# Allegro board C112P01-T2-ZDS-A03.brd
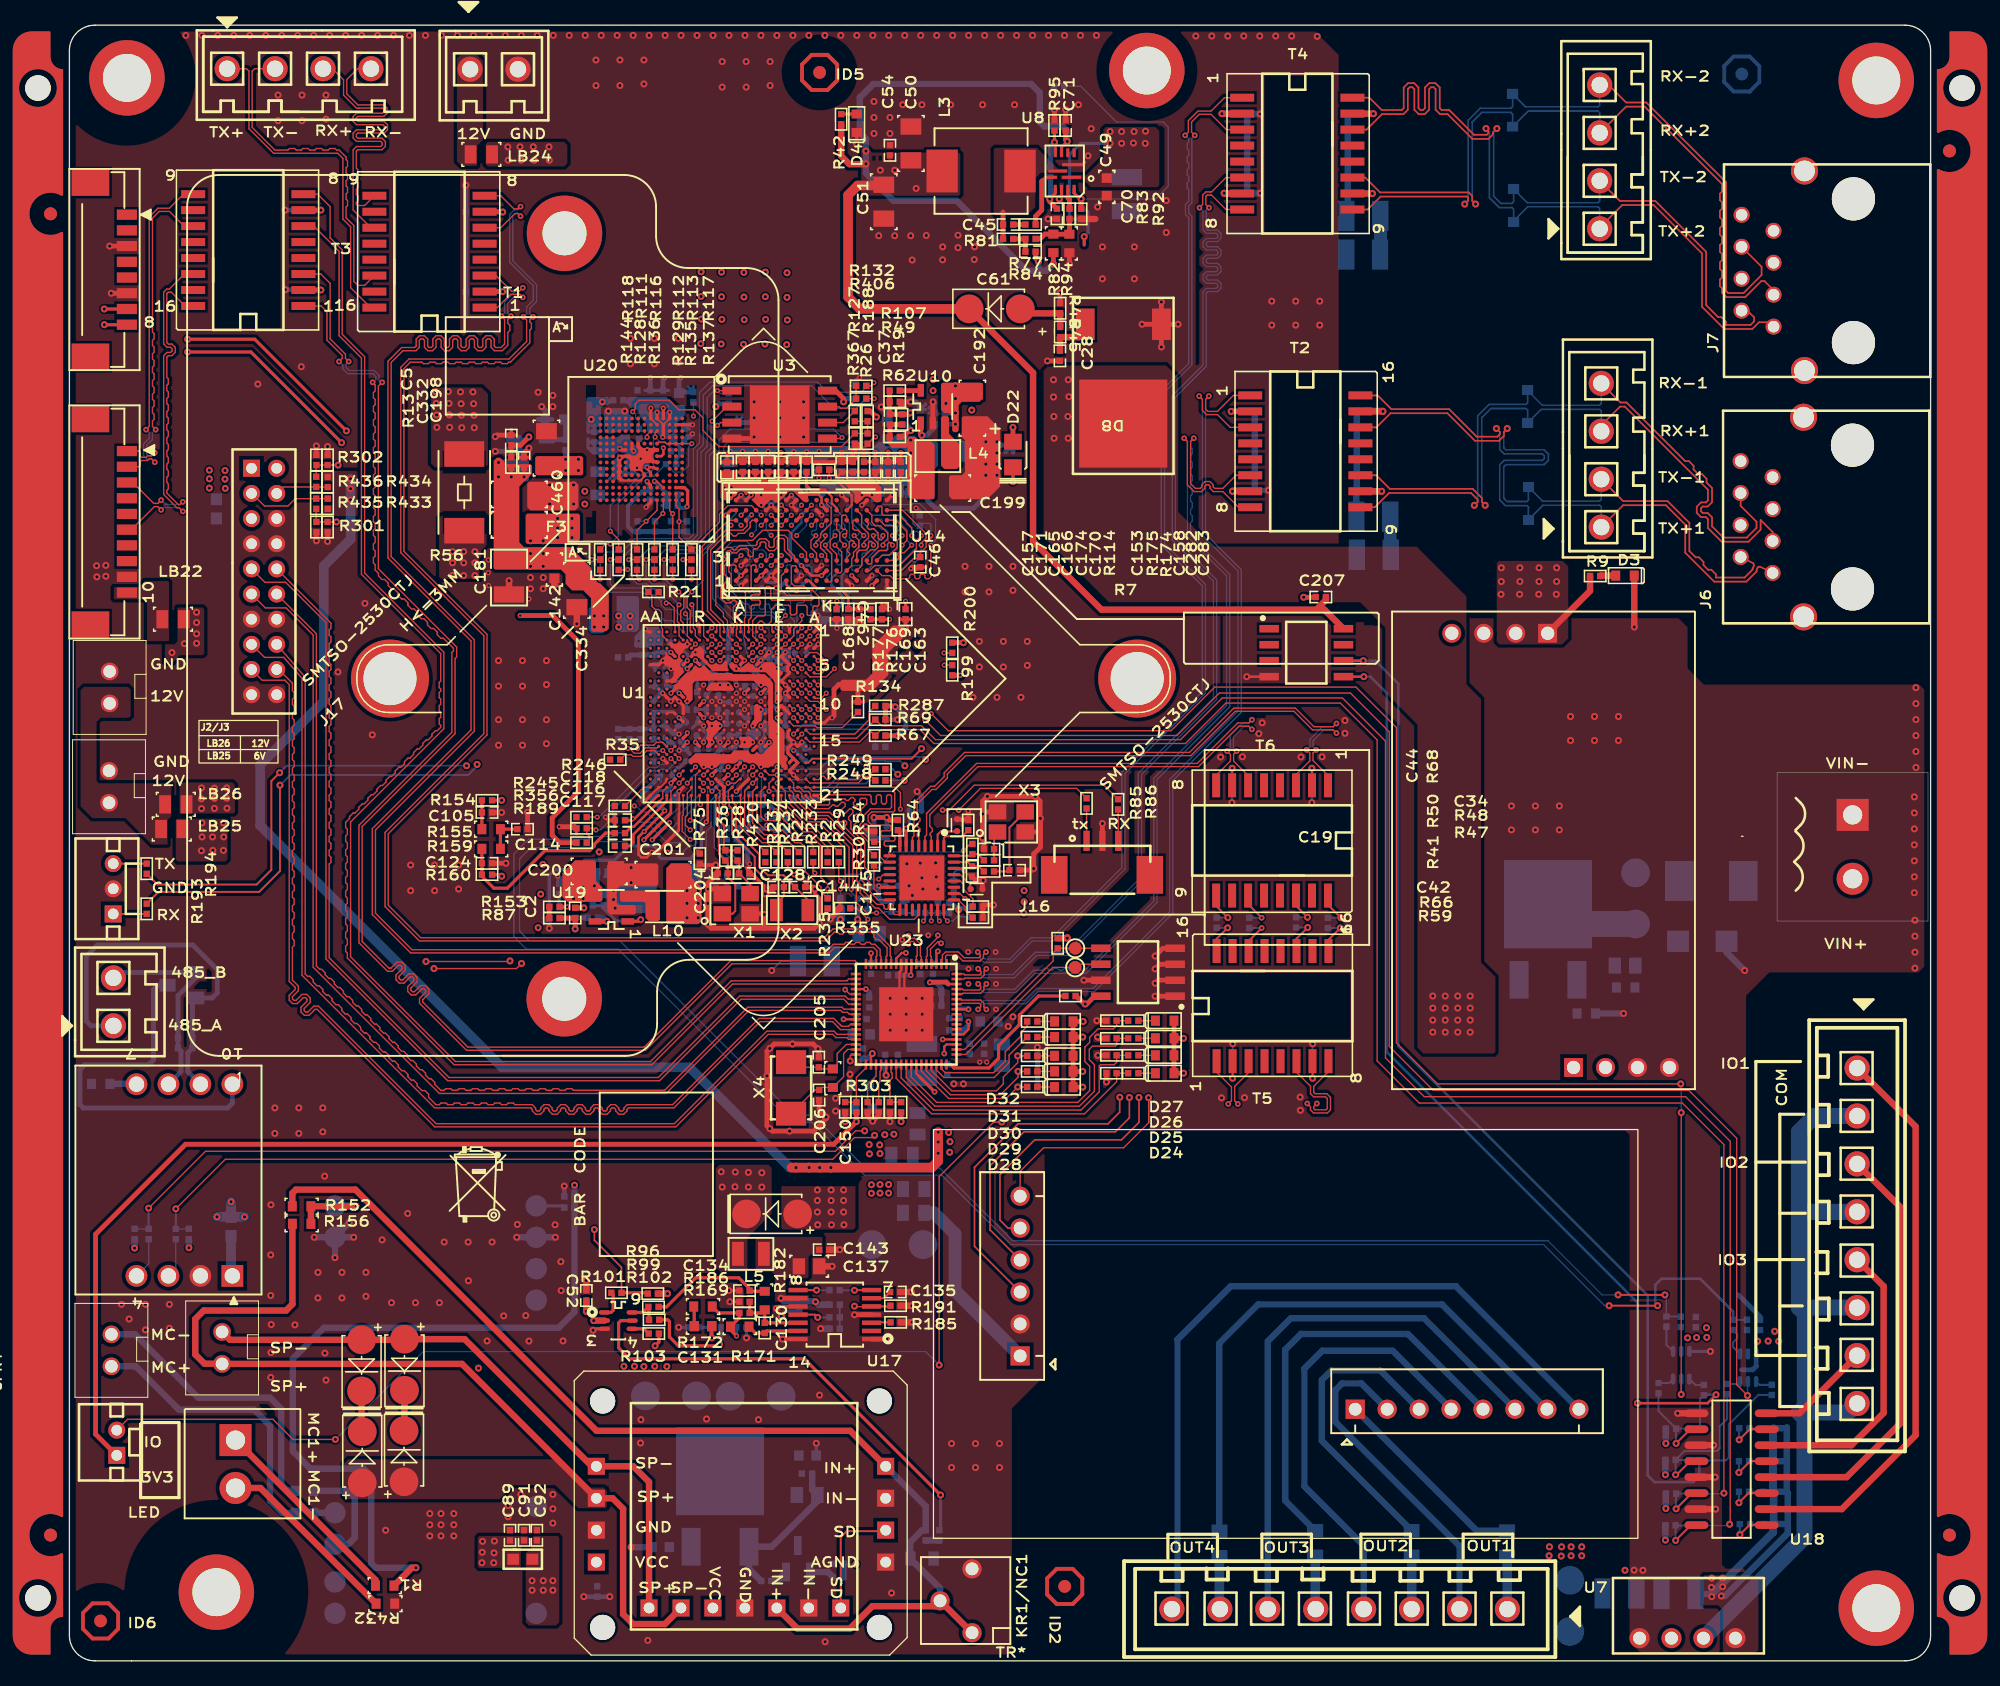
[diagram p0: board, top side]
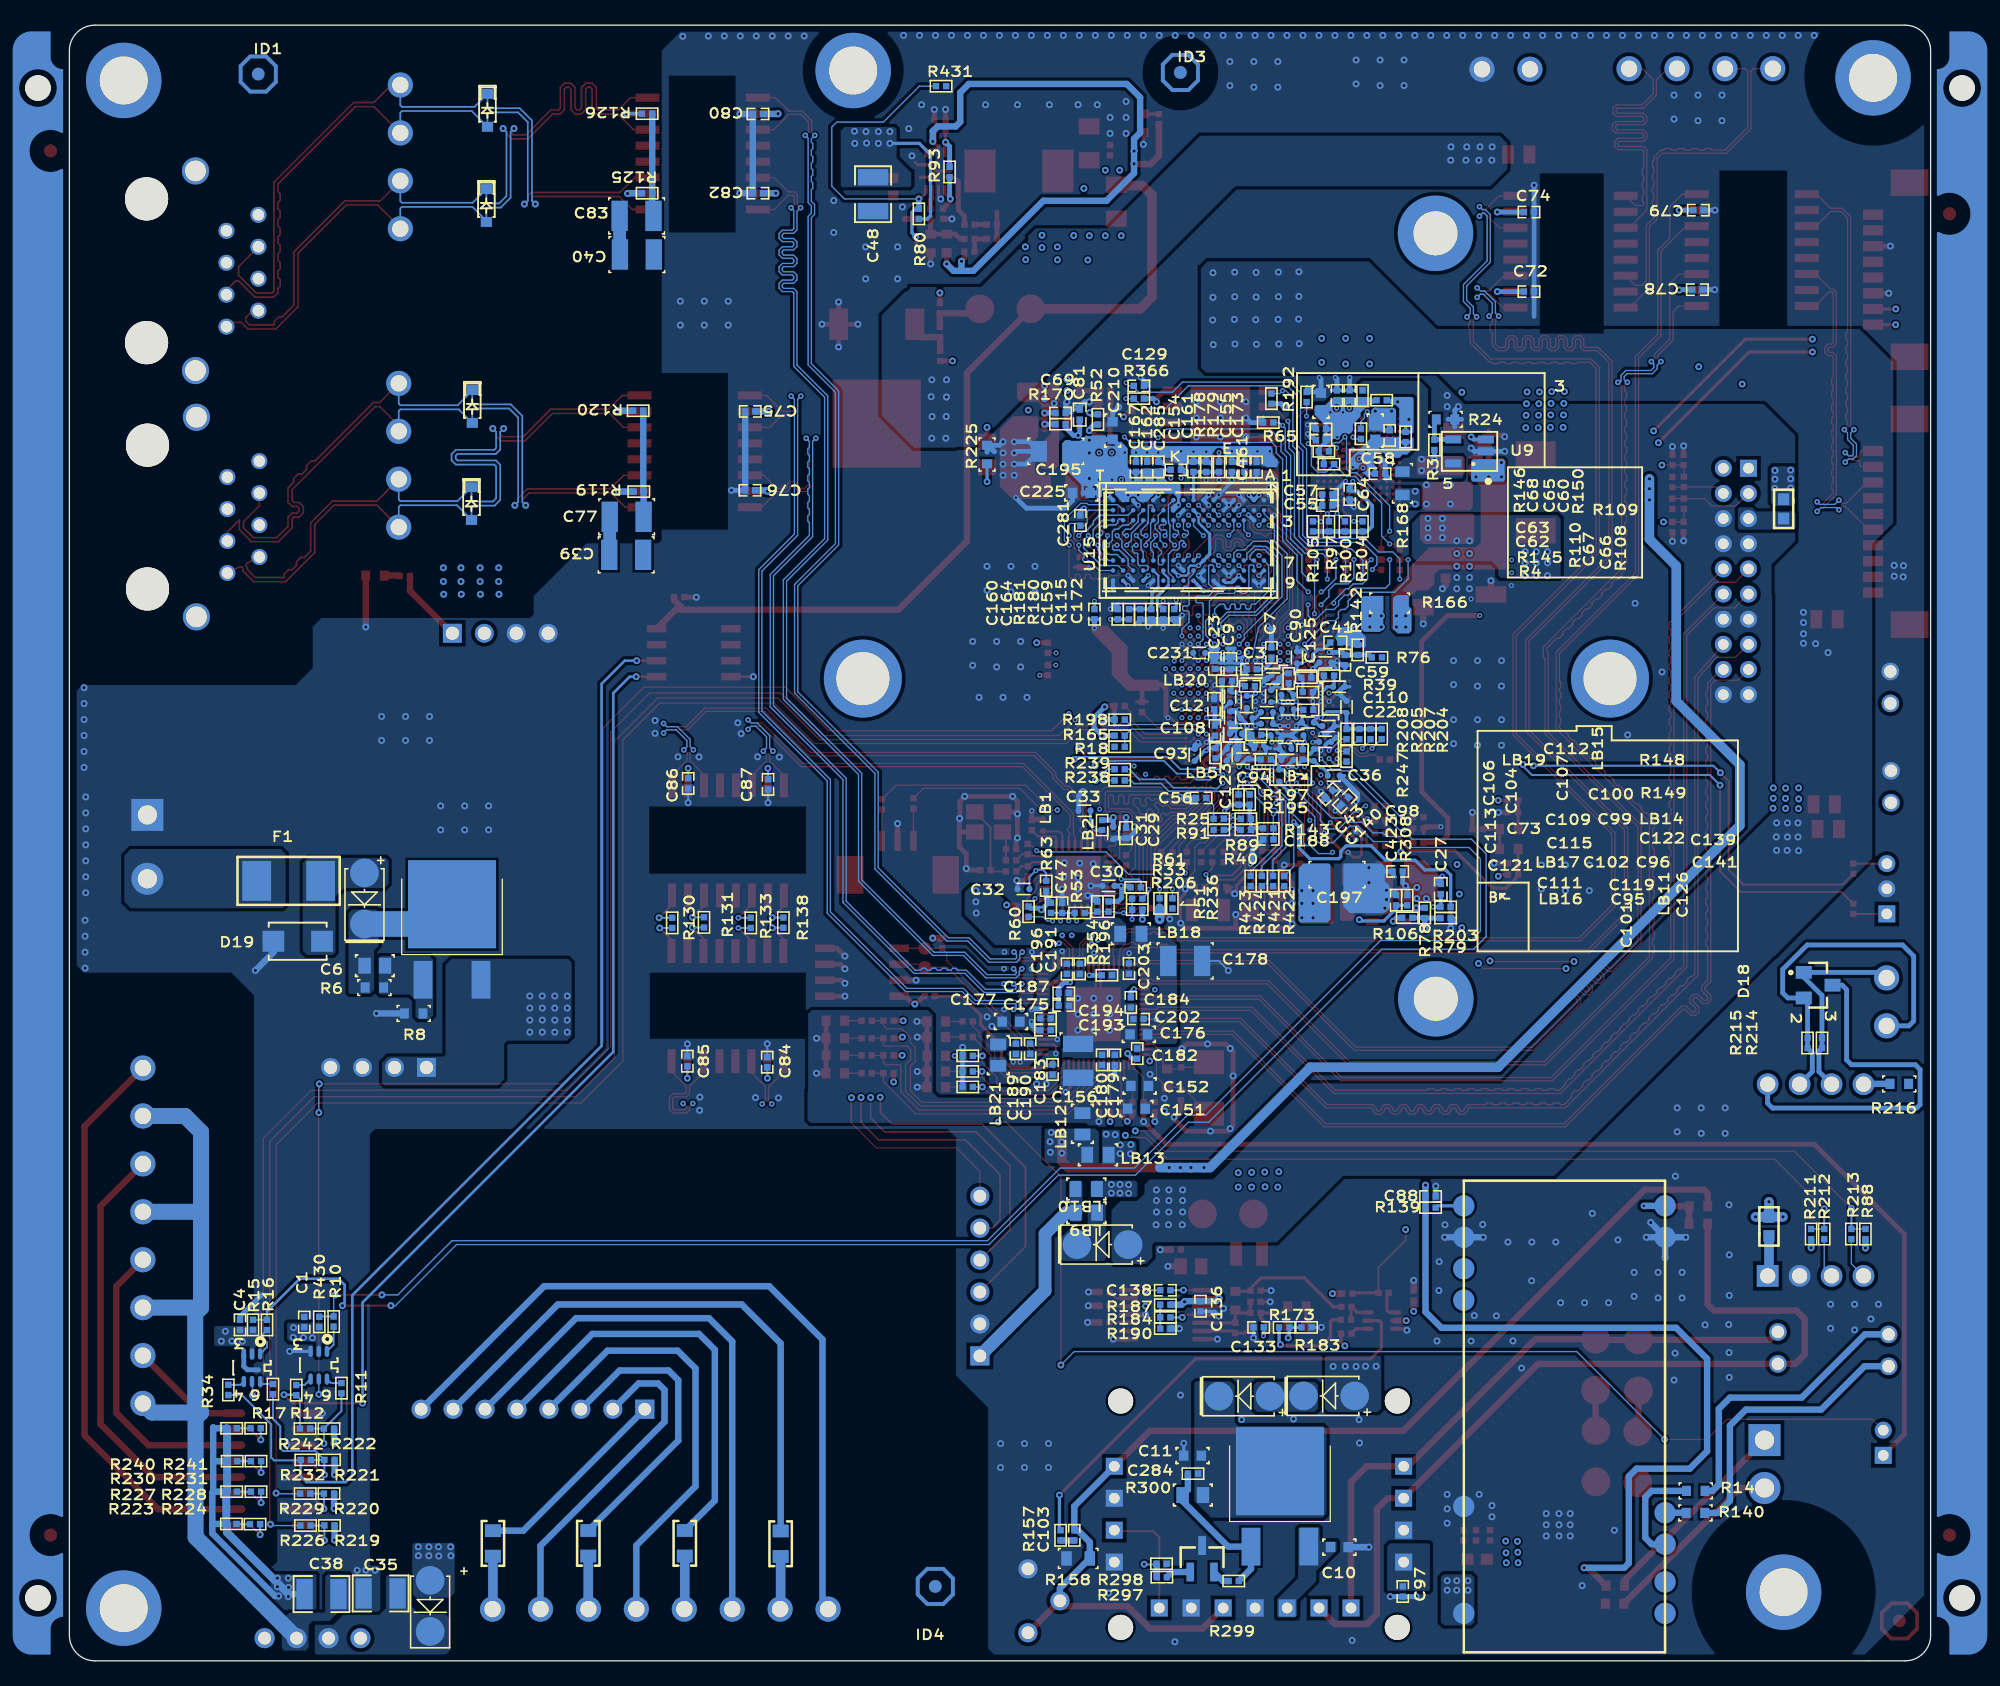
[diagram p1: board, bottom side, seen from below]

Outline 147.95 x 130.05 mm; copper layers: TOP, GND02, ART03, GND04, POWER5, BOTTOM. Coordinates in mm from the lower left corner of the outline.
Outline path: 0,128.02 0,2.03 arc(0.6,0.6) 2.03,0 145.92,0 arc(147.36,0.6) 147.95,2.03 147.95,128.02 arc(147.36,129.45) 145.92,130.05 2.03,130.05 arc(0.6,129.45) 0,128.02

## Design rules (mm)
net group 5V_AU: nets N17905278 N17905311
net group 16D_AL_OUT: nets 16D_AL_OUT AC_OUTL
net group $10N9450: nets $10N9450 SDIO1_CDATA3
net group $10N9451: nets $10N9451 SDIO1_CDATA2
net group $10N9452: nets $10N9452 SDIO1_CDATA1
net group $10N9453: nets $10N9453 SDIO1_CCMD
net group $10N9455: nets $10N9455 SDIO1_CCLK_OUT
net group $10N9456: nets $10N9456 SDIO0_CCLK_OUT
net group $19N2544: nets $19N2544 JTAG_TRSTN/SPI1_SCLK
net group $19N2573: nets $19N2573 EMMC_CLK/SFC_CLK/SFC_BOOT_MODE
net group $25N58: nets $25N58 EPHY_CLK
net group $25N63: nets $25N63 MDCK/BOOT_SEL0
net group $25N69: nets $25N69 RMII_CLK
net group $25N1561: nets $25N1561 DSI_D3P/LCD_DATA16/LCD1_DATA5
net group $25N1562: nets $25N1562 DSI_D3N/LCD_DATA17/LCD1_CLK
net group $25N1564: nets $25N1564 VI_VS/SENSOR_VS/SENSOR1_CLK
net group $25N1576: nets $25N1576 VI_CLK/VO_CLK
net group AU_C: nets AU_C LSADC_CH1
net group AU_COM: nets AU_COM N17625518
net group DIFFPAIR4: nets DDR3_CLK_N DDR3_CLK_P
net group DIFFPAIR18: nets USB_DM USB_DP
net group DIFFPAIR36: nets RS485_2_A_D+ RS485_2_B_D-
net group DIS_FLOW_CTRL: nets DIS_FLOW_CTRL N14034
net group DP10: nets RXIM0 RXIP0
net group GPIO5_6: nets GPIO5_6 N17071576
net group GPIO5_7: nets GPIO5_7 N17081385
net group GPIO9_5: nets GPIO9_5 N171530730
net group JTAG_TCK/SPI1_SDO: nets $19N2543 JTAG_TCK/SPI1_SDO
net group LINE_FEEDBACK: nets LINE_FEEDBACK LINE_OUT_IN-PA
net group N17153168: nets N17153168 N17153187
net group N17619483: nets N17619483 N17624383
net group N17619485: nets N17619485 N17624386
net group N17905305: nets N17905305 N17905372
net group PD6-1: nets N16845404 PD6-1
net group PTX-6: nets PTX-6 SD6
net group PTX-7: nets PTX-7 SD7
net group PWM0: nets N17071610 PWM0
net group PWM1: nets N17081412 PWM1
net group RELAY+1: nets N1001424 RELAY+1
net group RELAY+2: nets N1001336 RELAY+2
net group RELAY+3: nets N1001498 RELAY+3
net group RELAY+4: nets N1001204 RELAY+4
net group RX+3: nets N17709142 RX+3
net group RX-3: nets N17709139 RX-3
net group SDIO1_CDATA0: nets $10N9454 SDIO1_CDATA0
net group SENSOR0_CLK: nets $25N1565 SENSOR0_CLK
net group SPI0_SCLK/I2C0_SCL: nets $25N1563 SPI0_SCLK/I2C0_SCL
net group TX+3: nets N17709148 TX+3
net group TX-3: nets N17709145 TX-3
net group 8903_OUT_L: nets 8903_OUT_L N17905239 N17905268 N17905288 N17905290 N17905313
net group DDR3_DQ0: nets DDR3_DQ1 DDR3_DQ3 DDR3_DQ5 DDR3_DQ7 DDR3_DQS0_N DDR3_DQS0_P
net group DDR3_DQ1: nets DDR3_DQ8 DDR3_DQ9 DDR3_DQ10 DDR3_DQ11 DDR3_DQ13 DDR3_DQ14 DDR3_DQ15 DDR3_DQS1_N DDR3_DQS1_P
net group DDR3_DQ2: nets DDR3_DQ17 DDR3_DQ18 DDR3_DQ19 DDR3_DQ20 DDR3_DQ21 DDR3_DQ22 DDR3_DQ23 DDR3_DQS2_N DDR3_DQS2_P
net group DDR3_DQ3: nets DDR3_DQ25 DDR3_DQ27 DDR3_DQ29 DDR3_DQ30 DDR3_DQ31 DDR3_DQS3_N DDR3_DQS3_P
net group DIFFPAIR33: nets SPK-
net group HDMI: nets HDMI_TX0N HDMI_TX0P HDMI_TX1N HDMI_TX1P HDMI_TX2N HDMI_TX2P HDMI_TXCN HDMI_TXCP
net group LINE_09OUT_IPCIN: nets LINE_09OUT_IPCIN LINE_IN-IPC N171353801
net group MIPI: nets MIPI_RX0_CK0N/VI_DATA13 MIPI_RX0_CK0P/VI_DATA12 MIPI_RX0_CK1N/VI_DATA8 MIPI_RX0_CK1P/VI_DATA9 MIPI_RX0_D0N MIPI_RX0_D0P MIPI_RX0_D1N MIPI_RX0_D1P MIPI_RX0_D2N/VI_DATA15 MIPI_RX0_D2P/VI_DATA14 MIPI_RX0_D3N/VI_DATA10 MIPI_RX0_D3P/VI_DATA11
net group MIPI-DSI: nets DSI_CKP/LCD_DATA12/LCD1_DATA1 DSI_D0N/LCD_DATA9/LCD1_VSYNC DSI_D0P/LCD_DATA8/LCD1_DE DSI_D1N/LCD_DATA10/LCD1_HSYNC DSI_D1P/LCD_DATA11/LCD1_DATA0 DSI_D2N/LCD_DATA14/LCD1_DATA3 DSI_D2P/LCD_DATA15/LCD1_DATA4
net group PRX+1-J6-J23: nets PRX+1 PRX-1 PTX+1 PTX-1
net group PRX+2-T4-J7: nets PRX+2 PRX-2 PTX+2 PTX-2
net group PRX+4-TI-J27: nets PRX+4 PRX-4 PTX+4 PTX-4
net group RMII_RXD0: nets RMII_RX_DV RMII_RXD0 RMII_RXD1
net group RMII_TXD0: nets RMII_TX_EN RMII_TXD0 RMII_TXD1
net group SDIO_0: nets SDIO0_CARD_DETECT SDIO0_CARD_POWER_EN SDIO0_CCMD SDIO0_CDATA0 SDIO0_CDATA1 SDIO0_CDATA2 SDIO0_CDATA3
net group VI: nets VI_DATA0/VO_DATA0/I2C5_SCL VI_DATA1/VO_DATA1/I2C5_SDA VI_DATA2/VO_DATA2/I2C6_SCL VI_DATA3/VO_DATA3/I2C6_SDA VI_DATA4/VO_DATA4/SPI2_SCLK VI_DATA5/VO_DATA5/SPI2_SDO VI_DATA6/VO_DATA6/SPI2_SDI VI_DATA7/VO_DATA7/SPI2_CSN

## Placement (name value [footprint] x y rotation side)
C1  10NF  [SC0402]  129.29 26.94 270 bottom
C2  100pF  [SC0402]  40.21 59.46 270 top
C3  220nF  [SC0402]  53.98 78.84 0 bottom
C4  10NF  [SC0402]  134.39 26.71 270 bottom
C5  100NF/NC*  [SC0402]  35.13 97.05 90 top
C6  0.68uF/50V  [SC0805]  123.67 55.27 180 bottom
C7  220nF  [SC0402]  52.4 80.16 90 bottom
C9  4.7uF  [SC0402-PD]  55.68 79.25 90 bottom
C10  1uF 50V  [SC0603]  47 9.04 0 bottom
C11  1uF 50V  [SC0603]  58.67 16.32 180 bottom
C12  4.7uF  [SC0402-PD]  56.96 76.07 90 bottom
C19  22PF  [SC0402]  75.13 62.86 180 top
C22  2.2UF  [SC0402-BGA]  46.43 75.84 90 bottom
C23  4.7uF  [SC0402-PD]  56.9 79.27 90 bottom
C27  2.2UF  [SC0402-PD]  38.94 61.37 90 bottom
C28  100NF  [SC0402]  78.74 103.76 270 top
C29  4.7uF  [SC0402-PD]  63.96 65.81 270 bottom
C30  100NF  [SC0402-BGA]  65.35 61.62 0 bottom
C31  100NF  [SC0402-BGA]  64.97 65.81 270 bottom
C32  100NF  [SC0402-BGA]  72.11 61.37 0 bottom
C33  100NF  [SC0402-BGA]  67.26 67.59 0 bottom
C34  22PF  [SC0402]  73.1 64.54 0 top
C35  100NF/50V  [SC1210B]  123.22 5.36 0 bottom
C36  100NF  [SC0402-BGA]  47.45 70.38 0 bottom
C37  100pF  [SC0402]  65.23 98.7 90 top
C38  22UF/50V  [SC1210B]  127.91 5.31 180 bottom
C39  1NF/2KV  [SC1210]  103.69 87.94 0 bottom
C40  1NF/2KV  [SC1210]  102.84 111.81 0 bottom
C41  470nF  [SC0402-PD]  47.32 80.96 180 bottom
C42  100NF  [SC0402-BGA]  72.11 61.37 0 top
C43  100NF  [SC0402]  47.8 68.91 315 bottom
C44  100NF  [SC0402-BGA]  70.56 66.45 90 top
C45  220NF/25V  [SC0402]  74.63 114.2 180 top
C46  1NF  [SC0402]  67.64 87.36 270 top
C47  1NF  [SC0402]  69.04 59.87 90 bottom
C48  22UF  [SC1210B]  84.07 116.61 270 bottom
C49  100NF/25V  [SC0603]  82.46 117.19 270 top
C50  22UF  [SC1206]  66.89 120.64 90 top
C51  22UF  [SC1206]  64.74 116.01 270 top
C52  10NF  [SC0402]  41.09 29.05 270 top
C54  100NF  [SC0402]  65.23 120.1 90 top
C55  2.2UF  [HSC0402]  47.96 91.85 180 bottom
C56  100NF  [SC0402]  57.99 68.61 0 bottom
C57  100NF  [SC0402]  47.96 92.74 180 bottom
C58  100NF  [SC0402]  43.76 94.39 180 bottom
C59  100NF/NC*  [SC0402]  46.56 79.57 270 bottom
C60  100NF  [SC0402]  46.18 100.61 90 bottom
C61  150PF/25V/NC  [SC0402]  76.4 112.04 0 top
C62  100NF  [SC0402]  48.46 97.05 0 bottom
C63  100NF  [SC0402]  48.46 97.94 0 bottom
C64  100NF  [SC0402]  46.18 92.74 270 bottom
C65  100NF  [SC0402]  47.19 100.61 90 bottom
C66  100NF  [SC0402]  43 97.43 90 bottom
C67  10UF  [SC0603]  44.15 97.82 90 bottom
C68  10UF  [SC0603]  48.46 100.1 90 bottom
C69  100NF  [SC0402]  69.16 99.21 180 bottom
C70  1UF/25V  [SC0402]  78.5 115.05 270 top
C71  100NF  [SC0402]  79.2 122.07 90 top
C72  100NF  [SC0402]  31.93 108.86 0 bottom
C73  220nf  [SC0402-BGA]  54.38 74.96 180 bottom
C74  100NF  [SC0402]  31.93 115.19 0 bottom
C75  100NF  [SC0402]  93.83 99.34 180 bottom
C76  100NF  [SC0402]  93.85 93.07 180 bottom
C77  1NF/2KV  [SC1210]  103.66 90.96 180 bottom
C78  100NF  [SC0402]  18.54 109.02 0 bottom
C79  100NF  [SC0402]  18.47 115.34 0 bottom
C80  100NF  [SC0402]  93.22 122.99 180 bottom
C81  2.2uF/NC*  [SC0402-PD]  67.64 99.09 90 bottom
C82  100NF  [SC0402]  93.22 116.69 180 bottom
C83  1NF/2KV  [SC1210]  102.87 114.88 180 bottom
C84  100NF  [SC0402]  92.48 47.6 270 bottom
C85  100NF  [SC0402]  98.83 47.68 270 bottom
C86  100NF  [SC0402]  98.77 69.76 90 bottom
C87  100NF  [SC0402]  92.42 69.69 90 bottom
C88  10NF  [SC0402]  39.75 36.92 0 bottom
C89  10UF  [SC0402]  35.03 9.98 270 top
C90  100NF  [SC0402-BGA]  50.37 79.78 270 bottom
C91  10NF  [SC0402]  36.14 9.98 270 top
C92  10NF  [SC0402]  37.16 9.98 270 top
C93  4.7UF  [SC0402-BGA]  58.5 72.03 90 bottom
C94  220nf  [SC0402-BGA]  54.66 71.73 0 bottom
C95  220nf  [SC0402-BGA]  51.13 71.63 0 bottom
C96  2.2UF  [SC0402-BGA]  50.33 73.59 0 bottom
C97  10NF  [SC0402]  41.96 5.51 270 bottom
C98  100NF  [SC0402]  42.37 62.76 0 bottom
C99  2.2UF  [SC0402-BGA]  51.09 75.64 0 bottom
C100  2.2UF  [SC0402-BGA]  51.13 76.81 0 bottom
C101  2.2UF  [SC0402-BGA]  51.79 70.38 270 bottom
C102  2.2UF  [SC0402-BGA]  51.99 73.59 180 bottom
C103  10UF  [SC0402]  68.07 9.98 270 bottom
C104  2.2UF  [SC0402-BGA]  54.36 76.24 270 bottom
C105  100NF  [SC0402]  33.2 67.45 0 top
C106  2.2UF  [SC0402-BGA]  55.68 76.66 270 bottom
C107  4.7UF  [SC0402-BGA]  52.43 76.7 270 bottom
C108  220nF  [SC0402]  56.9 73.96 270 bottom
C109  4.7UF  [SC0402-BGA]  52.76 75.42 0 bottom
C110  2.2UF  [SC0402-BGA]  47.02 77.45 0 bottom
C111  100NF  [SC0402-BGA]  53.31 72.57 180 bottom
C112  220nf  [SC0402-BGA]  52.26 78.1 0 bottom
C113  100NF  [SC0402-BGA]  55.68 75.01 270 bottom
C114  2.2uF  [SC0402]  36.02 66.12 0 top
C115  220nf  [SC0402-BGA]  52.76 74.5 0 bottom
C116  4.7uF  [SC0402-PD]  43.76 65.81 0 top
C117  4.7uF  [SC0402-PD]  43.76 64.8 0 top
C118  4.7uF  [SC0402-PD]  43.76 66.83 0 top
C119  220nf  [SC0402-BGA]  51.29 72.51 0 bottom
C121  4.7UF  [SC0402-BGA]  55.22 73.72 0 bottom
C122  2.2UF  [SC0402-BGA]  49.5 74.6 180 bottom
C123  2.2UF  [SC0402-BGA]  55.96 72.03 90 bottom
C124  15PF  [SC0402]  33.2 63.42 0 top
C125  2.2UF  [SC0402-BGA]  48.12 79.38 180 bottom
C126  100NF  [SC0402-BGA]  49.03 72.03 270 bottom
C128  18PF  [SC0402]  53.64 62.61 0 top
C129  10NF  [SC0402]  62.94 101.37 180 bottom
C130  47PF  [SC0402]  55.27 26.47 270 top
C131  2.2UF  [SC0603]  50.37 26.61 0 top
C133  680PF  [SC0402]  53.42 26.52 0 bottom
C134  1NF  [SC0402]  53.67 29.44 180 top
C135  330N  [HSC0402]  65.65 29.32 180 top
C136  100NF  [SC0402]  58.04 28.19 270 bottom
C137  10UF  [SC0805]  58.8 31.37 0 top
C138  330N  [HSC0402]  60.83 29.46 180 bottom
C139  2.2UF  [SC0402-BGA]  47.88 74.32 0 bottom
C140  4.7uF  [SC0402-PD]  46.56 68.35 135 bottom
C141  2.2UF  [SC0402-BGA]  48.13 73.07 0 bottom
C142  100NF  [SC0603]  38.56 86.77 270 top
C143  100NF  [SC0402]  60.01 32.69 0 top
C144  27PF  [SC0402]  56.39 61.52 180 top
C145  27PF  [SC0402]  58.09 61.52 0 top
C150  100NF  [SC0402]  61.67 44.02 90 top
C151  100NF  [SC0603]  63.13 43.9 180 bottom
C152  22uF  [SC0603]  62.88 45.71 180 bottom
C153  220nF  [SC0402]  61.39 94.93 90 top
C154  220nF/NC*  [SC0402]  59.99 94.7 180 bottom
C155  220nF/NC*  [SC0402]  55.55 94.93 90 bottom
C156  47UF  [SC1210]  67.77 47.7 90 bottom
C157  4.7uF  [SC0402-PD]  52.27 94.89 90 top
C158  220nF/NC*  [SC0402]  64.06 94.93 270 top
C159  220nF  [SC0402]  61.95 83.21 270 bottom
C160  220nF/NC*  [SC0402]  66.47 83.21 270 bottom
C161  220nF  [SC0402]  58.6 94.93 90 bottom
C162  100NF  [SC0402]  62.28 94.93 90 bottom
C163  4.7uF/NC*  [SC0402-PD]  66.47 83.21 270 top
C164  100NF  [SC0402]  64.62 83.21 90 bottom
C165  4.7uF/NC*  [SC0402-PD]  54.53 94.93 90 top
C166  4.7uF/NC*  [SC0402-PD]  55.55 94.93 90 top
C167  100NF  [SC0402]  63.17 94.93 90 bottom
C168  4.7uF  [SC0402-PD]  60.98 83.21 270 top
C169  4.7uF/NC*  [SC0402-PD]  64.59 83.21 90 top
C170  4.7uF/NC*  [SC0402-PD]  57.58 94.93 90 top
C171  4.7uF/NC*  [SC0402-PD]  53.52 94.93 90 top
C172  100NF  [SC0402]  60.12 83.21 270 bottom
C173  100NF  [SC0402]  54.53 94.93 90 bottom
C174  100NF  [SC0402]  56.57 94.93 90 top
C175  10UF/NC  [SC0402]  68.91 52.1 180 bottom
C176  100NF  [SC0603]  62.94 49.81 0 bottom
C177  22uF  [SC0603]  73.1 50.83 0 bottom
C178  47UF  [SC1210]  59.26 55.65 180 bottom
C179  100NF  [SC0402]  64.85 47.78 90 bottom
C180  100NF  [SC0402]  65.86 47.78 90 bottom
C181  22UF  [SC1210B]  34.95 86.13 270 top
C182  100NF  [SC0402]  63.07 48.29 90 bottom
C183  100NF  [SC0402]  69.8 47.02 270 bottom
C184  100NF  [SC0402]  63.58 52.35 270 bottom
C187  100NF  [SC0402]  68.91 53.11 180 bottom
C188  2.2UF  [SC0402]  52.65 65.3 180 bottom
C189  100NF  [SC0402]  72.72 48.67 270 bottom
C190  100NF  [SC0402]  71.58 48.67 270 bottom
C191  100NF  [SC0402]  67.64 55.02 270 bottom
C192  22uF  [SC1206]  71.78 99.59 270 top
C193  100NF  [SC0402]  70.36 50.14 180 bottom
C194  100NF  [SC0402]  70.36 51.08 180 bottom
C195  47UF/NC*  [SC1206]  69.55 96.16 0 bottom
C196  100NF  [SC0402]  68.66 55.02 270 bottom
C197  47UF  [SC1206]  47.19 62.51 180 bottom
C198  22uF  [SC1206]  37.92 96.42 90 top
C199  22uF  [SC1206]  69.42 93.24 0 top
C200  22uF  [SC1206]  42.11 62.76 0 top
C201  47UF  [SC1206]  47.19 62.51 180 top
C202  100NF  [SC0402]  62.97 51.03 0 bottom
C203  100NF  [SC0402]  63.73 55.04 270 bottom
C204  18PF  [SC0402]  51.94 62.61 180 top
C205  30PF  [SC0402]  59.58 47.6 270 top
C206  30PF  [SC0402]  59.6 44.98 90 top
C207  100NF  [SC0402]  99.48 84.58 0 top
C210  10UF/NC*  [SC0603]  65.02 97.82 90 bottom
C225  10UF  [SC0603]  67.51 92.86 0 bottom
C231  2.2PF  [SC0402-BGA]  58.14 80.14 180 bottom
C281  1NF  [SC0402]  67.59 90.66 90 bottom
C282  100NF  [SC0402]  65.07 94.93 90 top
C283  100NF  [SC0402]  66.09 94.93 90 top
C284  0.68uF 50V  [SC0805]  58.65 13.18 180 bottom
C285  100NF  [SC0402]  61.39 94.93 90 bottom
C332  100NF  [SC0402]  36.14 95.28 90 top
C334  22uF  [SC1206]  40.34 85.12 270 top
C423  100NF  [SC0402]  42.49 60.48 90 bottom
C460  22uF  [SC1206]  35.76 92.74 0 top
C461  100NF  [SC0402]  53.58 94.92 90 bottom
C462  220nF  [SC0402]  61.91 83.22 270 top
D1  1N4007  [SMA]  55.85 35.53 180 top
D2  SS36-A  [SMA]  124.5 60.62 270 bottom
D3  Led-G-0603  [LED0603]  123.66 86.28 180 top
D4  Led-G-0603  [LED0603]  62.59 122.25 90 top
D5  1N4007  [SMA]  119.28 4.37 270 bottom
D6  1N4007  [SMA]  65.82 33.1 0 bottom
D7  SML4729A-SMA  [SMA]  73.56 107.49 180 top
D8  BT151S-500R  [D-PACK7_7]  83.78 98.37 180 top
D14  BV03C  [SOD323-12]  114.72 123.28 90 bottom
D15  BV03C  [SOD323-12]  115.93 99.73 90 bottom
D16  BV03C  [SOD323-12]  114.81 115.71 90 bottom
D17  BV03C  [SOD323-12]  115.99 92.01 90 bottom
D18  D2-3_D  [SOT23]  8.94 53.72 270 bottom
D19  1SMA13CAT3G  [SD1710A]  129.81 57.21 180 bottom
D20  SS36-A  [SMA]  54.55 21.04 0 bottom
D21  SS36-A  [SMA]  47.82 21.06 0 bottom
D22  LED  [SD0805-LED]  75.01 95.91 270 top
D24  LED  [LED0603]  87.07 46.72 0 top
D25  LED  [LED0603]  87.07 48.14 0 top
D26  LED  [LED0603]  87.07 49.49 0 top
D27  LED  [LED0603]  87.07 50.9 0 top
D28  LED  [LED0603]  79.05 45.62 0 top
D29  LED  [LED0603]  79.05 46.86 0 top
D30  LED/NC  [LED0603]  79.05 48.1 0 top
D31  LED  [LED0603]  79.05 49.6 0 top
D32  LED  [LED0603]  79.05 50.84 0 top
D38  SML4737A  [SMA]  26.6 16.27 90 top
D39  SML4737A  [SMA]  26.64 23.55 270 top
D40  SML4737A  [SMA]  23.28 16.18 90 top
D45  SML4737A  [SMA]  23.23 23.49 270 top
F1  PTC S1206-FC-2.0A  [SF6127]  130.53 62.01 180 bottom
F3  SF-1206F200-2  [SF1206]  35.76 90.32 180 top
ID1  -  [ID-BOARD]  132.94 126.16 180 bottom
ID2  -  [ID-BOARD]  79.12 5.92 270 top
ID3  -  [ID-BOARD]  59.64 126.29 180 bottom
ID4  -  [ID-BOARD]  79.12 5.92 90 bottom
ID5  -  [ID-BOARD]  59.64 126.29 0 top
ID6  -  [ID-BOARD]  2.48 3.17 270 top
J1  POW_IN  [CON-1X2P-508-KF127S-2]  141.76 64.72 270 top
J2  DIP254-2P  [XHB254_2P]  3.15 69.49 90 top
J3  DIP254-2P  [XHB254_2P]  3.2 77.39 90 top
J4  MIC1  [CON-1X2P-381-KF127]  13.21 15.65 270 top
J5  CON8  [CON1X8PD3_81-180]  142.11 47.13 270 top
J6  RJ45-10P-Z  [MJ-TE-8P-COMPL-PIN-CAT5-PC]  147.86 82.49 90 top
J7  RJ45-10P-Z  [MJ-TE-8P-COMPL-PIN-CAT5-PC]  147.93 102.08 90 top
J8  CON8  [CON1X8PD3_81-180]  114.32 4.11 180 top
J9  MIC0  [XHB254_2P]  3.34 24.69 90 top
J11  SPK  [XHB254_2P]  12.14 24.88 90 top
J12  Audio  [A1251WV-S-8P]  4.57 109.98 90 top
J13  SIP-10  [A1251WV-S-10P]  4.57 91.19 90 top
J14  PH-3P-S  [PH-3P]  3.48 59.39 90 top
J15  VH-2P  [CON1X2PD3_811]  33.76 126.54 0 top
J16  ZH-3P-S  [ZH-3P]  83.39 64.8 180 top
J17  CON2  [FAN4010_59_2H]  55.18 78.1 45 top
J18  CON7  [OEP30W-D]  44.58 20.52 270 top
J19  TD5(3)21D485H-A/NC  [TD5-3-21D485H-A]  7.87 38.23 90 top
J20  CON2  [CON1X2PD3_811]  3.5 52.39 90 top
J23  CON4  [CON1X4PD3_81-180]  121.77 92.04 90 top
J25  CON4  [CON1X4PD3_81-180]  121.65 115.77 90 top
J26  CON4  [CON1X4PD3_81-180]  14.45 126.59 0 top
J27  CON8A  [XH-8A_1]  117.18 44.39 90 top
J31  PH2.0-2P_180  [CON1X2PD2]  3.76 16.34 90 top
J34  CON6  [CON1X6PD254]  75.58 28.06 90 top
J35  CON8  [CON1X8PD254]  106.02 20.01 0 top
KR1/NC1  KR202  [TR-3362P]  69.22 4.78 90 top
L3  SPM6530T-2R2M  [SPL0707G]  72.47 118.45 180 top
L4  2.2UH  [HSL1008]  69.04 95.78 180 top
L5  2.2UH  [HSL1008]  54.18 32.36 0 top
L10  470NH  [SL1008F]  47.32 59.97 0 top
LB1  LB  [SL0402]  70.31 61.62 90 bottom
LB2  LB  [SL0402]  65.86 66.45 270 bottom
LB3  LB0603  [SL0603]  11.68 91.59 270 bottom
LB4  BLM18PG121SN1D  [SL0603]  36.04 8.08 0 top
LB5  LB  [SL0402]  56.85 72.16 270 bottom
LB6  LB0603  [SL0603]  12.85 34.54 90 bottom
LB9  MGLB2012_220T_LF  [SL0805]  67.11 35.62 0 bottom
LB10  MGLB2012_220T_LF/NC  [SL0805]  67.12 37.52 0 bottom
LB11  LB  [SL0402]  49.92 72.06 90 bottom
LB12  MGLB2012_220T_LF  [SL0805]  67.42 42.7 90 bottom
LB13  MGLB2012_220T_LF  [SL0805]  66.19 40.23 0 bottom
LB14  LB  [SL0402]  49.47 75.61 0 bottom
LB15  LB  [SL0402]  51.03 78.13 270 bottom
LB16  LB  [SL0402]  52.85 71.67 180 bottom
LB17  LB  [SL0402]  53.6 73.62 180 bottom
LB18  MGLB2012_220T_LF  [SL0805]  63.58 57.81 180 bottom
LB19  LB  [SL0402]  54.11 77.5 180 bottom
LB20  LB  [SL0402]  55.94 77.92 180 bottom
LB21  MGLB2012_220T_LF  [SL0805]  74.12 48.16 270 bottom
LB22  LB0805  [SL0805D]  8.24 82.82 0 top
LB24  LB0805  [SL0805D]  32.75 119.77 180 top
LB25  LB0805  [SL0805D]  8.14 66.14 180 top
LB26  LB0805/NC  [SL0805D]  8.46 68.1 180 top
M1  HOLE-8STARS  [HOLE6C3_5MM]  85.65 126.44 0 top
M2  HOLE-8STARS  [HOLE6C3_5MM]  4.57 125.86 0 top
M3  HOLE-8STARS  [HOLE6C3_5MM]  11.68 5.46 0 top
M4  HOLE-8STARS  [HOLE6C3_5MM]  143.64 125.65 0 top
M5  HOLE-8STARS  [HOLE6C3_5MM]  143.64 4.19 0 top
MDC1  SCL  [TP40]  79.95 55.14 0 top
MDIO1  SDA  [TP40]  79.96 56.65 0 top